# Altium PCB PCB.PcbDoc (part 2 of 2)
Units mm, origin at the board's own origin, x right, y up, seen from the top; angles counter-clockwise.
Board outline 112.5 x 122.5 mm, 4 copper layers (Top Layer, Int1 (GND), Int2 (PWR), Bottom Layer), stack 1.369 mm thick; 231 components, 138 nets, 712 pads, 193 vias.
Unrouted connection lines stored in the file: 145.
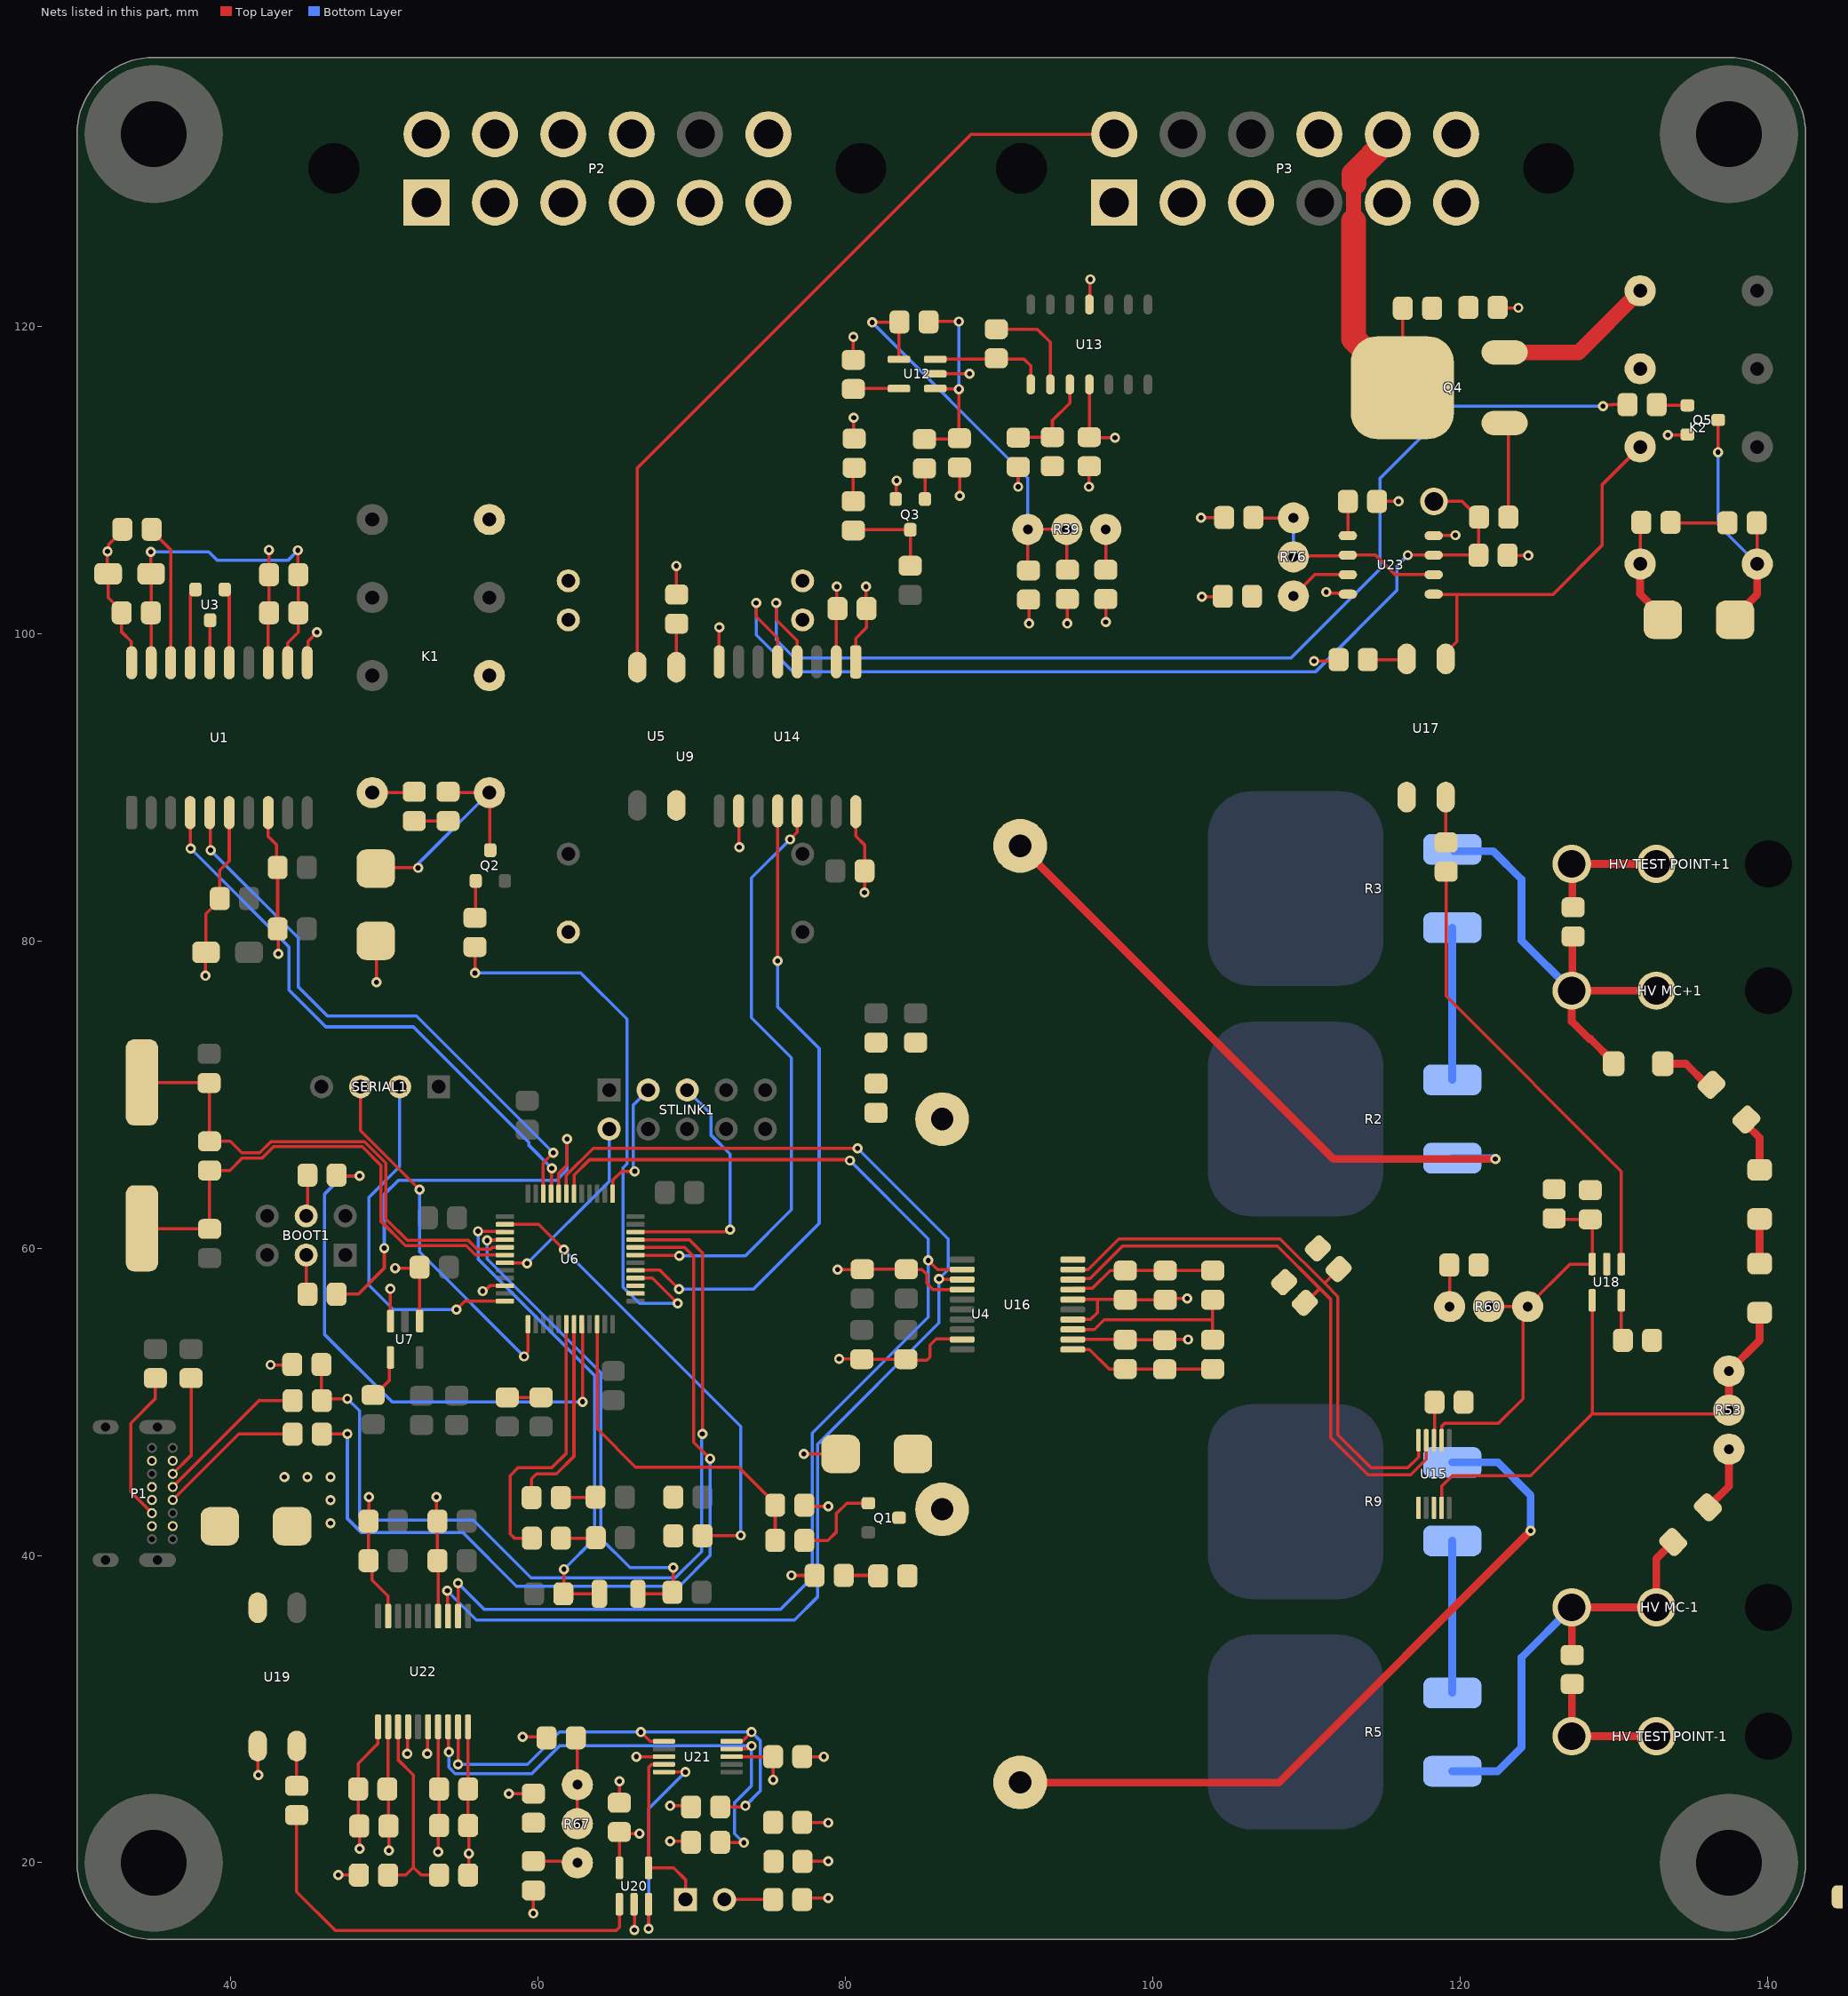
[diagram p4: the nets of this part, all layers, seen from the top]

## Via types
v1: diameter 0.66, hole 0.33, Top Layer to Bottom Layer, 193 vias

## Nets (pads, with @x,y where several pads share a name; then routed paths per layer and width w, separated by ;. In a path a pad name is that pad's centre, name@x,y a point inside that pad or via, vN(x,y) a via of type N, cw(c..) or ccw(c..) an arc to the next point about the centre after c; other vN are vias at no path point) (continued)
5V: 1.1 C28.2 C34.2 C35.2 C62.2 D7.A D14.A D15.K K2.1 P3.1 R6.2 R37.2 R38.2 R44.2 R57.2 R74.2 R79.2 U8.3 U12.5 U13.4 U14.1 U23.4 U23.8 | length 34.2
  Top Layer w0.203: v1(69,104.4) 69,102.564 R6.2@69.026,102.538 ; C34.2@80.524,115.912 80.562,115.95 U12.5@83.488,115.95 ; v1(80.55,114.05) 80.55,112.714 R38.2@80.576,112.688 ; U14.1@80.68,98.156 80.68,99.68 81.388,100.388 C35.2@81.388,101.624 81.35,101.662 v1(81.35,103.05) ; R44.2@87.424,110.812 87.45,110.786 v1(87.45,108.95) ; R37.2@91.924,102.212 91.95,102.186 v1(91.95,100.65) ; U13.4@95.88,116.218 95.88,112.792 C62.2@95.876,112.788 95.914,112.75 v1(97.55,112.75) ; v1(103.2,102.4) 104.536,102.4 R74.2@104.562,102.426 ; v1(110.5,98.2) 112,98.2 R57.2@112.1,98.3 ; v1(111.3,102.7) 111.37,102.63 112.63,102.63 U23.8@112.7,102.56 ; U23.4@118.288,106.37 118.303,106.385 119.685,106.385 v1(119.7,106.4) ; D14.A@122.447,121.225 122.472,121.2 v1(123.8,121.2) ; K2.1@131.722,104.53 131.722,107.153 R79.2@131.8,107.231
  Top Layer w0.508: K2.1@131.722,104.53 131.722,102.579 133.2,101.101 D15.K@133.2,100.9
"5V (HV MC ISO)": U17.1
"5V (ISO)": 2.1 C1.2 C2.2 C7.2 C8.2 C17.2 C31.2 C36.2 C42.2 C43.2 C44.2 C45.2 C56.2 C57.2 C58.2 C59.2 D1.K D5.K D8.A D11.K D12.A K1.1 R4.2 R7.2 R10.2 R16.2 R17.2 R19.2 R62.2 U1.6 U1.8 U4.2 U7.1 U7.3 U9.14 U10.4 U11.4 U14.10 U14.16 U16.4 U16.9 U22.4 U22.9 | length 82.5
  Top Layer w0.203: v1(38.364,77.73) 38.364,79.035 38.389,79.061 38.3,79.15 C1.2@38.4,79.25 38.4,81.75 39.3,82.65 C2.2@39.3,82.75 ; C2.2@39.3,82.75 39.3,84.584 39.911,85.195 U1.6@39.911,88.345 ; U1.8@42.451,88.345 42.451,86.799 43,86.25 43,84.838 C7.2@43.062,84.776 C8.2@43.062,80.776 43.1,80.738 v1(43.1,79.15) ; v1(42.6,52.4) 43.987,52.4 R19.2@44.014,52.426 ; v1(49,43.8) 49,42.252 C56.2@48.974,42.226 C57.2@48.974,39.662 49.197,39.439 49.197,38.403 50.249,37.351 U22.9@50.249,36.046 ; K1.1@49.219,89.645 51.895,89.645 D12.A@51.95,89.7 ; D11.K@49.45,80 49.5,79.95 v1(49.5,77.3) ; U7.3@50.4,55.25 50.4,57.15 v1(50.4,57.35) ; v1(50.7,58.7) 52.25,58.7 C17.2@52.3,58.75 U7.1@52.3,55.25 ; v1(53.4,43.8) 53.4,42.289 C58.2@53.463,42.226 C59.2@53.463,39.662 53.499,39.626 U22.4@53.499,36.046 ; U14.10@73.06,88.454 73.08,88.434 73.08,86.12 v1(73.1,86.1) ; v1(76.5,38.7) R4.2@78,38.7 ; v1(77.3,46.6) D1.K@79.7,46.6 ; R7.2@77.338,43.274 77.412,43.2 v1(78.9,43.2) ; v1(79.5,58.6) 81.08,58.6 C45.2@81.105,58.625 C44.2@83.975,58.625 84,58.6 85,58.6 85.3,58.3 85.3,57.7 85.697,57.303 U16.4@87.606,57.303 ; v1(79.6,52.8) 81.049,52.8 C42.2@81.074,52.775 C43.2@83.944,52.775 84.019,52.7 85.3,52.7 85.514,52.914 85.514,53.684 85.916,54.086 87.573,54.086 U16.9@87.606,54.053 ; U14.16@80.68,88.403 80.68,86.82 81.25,86.25 C36.2@81.25,84.55 v1(81.25,83.15)
  other v1: 46.5,42.1 46.5,43.6 43.5,45.1 45,45.1 46.5,45.1
12V/24V: C27.2 C30.2 L1.1 U8.1 U9.22 U9.23
BOOT0: BOOT1.3 R18.1 | length 2.6
  Top Layer w0.203: BOOT1.3@44.92,59.553 44.92,57.08 R18.1@45,57
BOOT1: BOOT1.4 R15.2 | length 2.7
  Top Layer w0.203: BOOT1.4@44.92,62.093 45,62.173 R15.2@45,64.75
CAN1H: "CAN TERM R1.2" C11.2 P2.5 U2.1 | length 2.1
  Top Layer w0.203: C11.2@369.226,157.738 371.278,157.738 U2.1@371.331,157.685
CAN1L: "CAN TERM R2.1" C10.2 P2.4 U2.2 | length 2.1
  Top Layer w0.203: U2.2@373.831,157.685 375.874,157.685 C10.2@375.926,157.738
CAN2H: P2.3
CAN2L: P2.2
CAN3H: P2.7
CAN3L: P2.6
"CAN RX": "CAN RX TP1.1" U1.4 U6.45 | length 37.9
  Top Layer w0.203: U1.4@37.371,88.345 37.386,88.33 37.386,86.014 v1(37.4,86) ; U6.45@60.85,63.55 60.875,63.575 60.875,65.175 v1(60.9,65.2)
  Bottom Layer w0.203: v1(37.4,86) 43.8,79.6 43.8,76.8 46.2,74.4 51.887,74.4 59.422,66.866 59.422,66.678 v1(60.9,65.2)
"CAN RX INDC": "CAN RX INDC1.A" U6.19 | length 13.2
  Top Layer w0.203: 59.588,43.769 59.588,44.988 59.9,45.3 61.2,45.3 62.343,46.443 62.343,55.043 U6.19@62.35,55.05
"CAN TX": "CAN TX TP1.1" U1.5 U6.46 | length 37.7
  Top Layer w0.203: U1.5@38.641,88.345 38.67,88.315 38.67,85.93 v1(38.7,85.9) ; U6.46@60.35,63.55 60.343,63.557 60.343,65.543 v1(61,66.2)
  Bottom Layer w0.203: v1(38.7,85.9) 44.4,80.2 44.4,77 46.3,75.1 52.1,75.1 v1(61,66.2)
"CAN TX INDC": "CAN TX INDC1.A" U6.18 | length 18
  Top Layer w0.203: 59.6,41.119 59.581,41.1 58.5,41.1 58.2,41.4 58.2,45.2 58.7,45.7 60.9,45.7 61.85,46.65 U6.18@61.85,55.05
CANS: C3.1 C4.1 C5.1 C6.1 C9.1 C10.1 C11.1 C12.1 C13.1 P2.1 R1.1 U1.11 U1.13 U1.16 U1.20 U3.3 | length 27.6
  Top Layer w0.203: R1.1@32.957,106.787 32.957,106.687 32.076,105.806 32.076,105.427 v1(31.989,105.34) 31.989,103.934 C4.1@32.03,103.892 32.03,102.336 32.914,101.452 C6.1@32.914,101.352 32.914,100.096 33.528,99.483 33.528,98.131 U1.20@33.561,98.098 ; U1.16@38.641,98.098 38.655,98.112 38.655,100.856 U3.3@38.669,100.87 ; U1.13@42.451,98.098 42.451,101.298 C5.1@42.505,101.352 C3.1@42.505,103.837 ; C3.1@42.505,103.837 v1(42.504,105.442) ; U1.11@44.991,98.099 45.03,98.138 45.03,99.484 v1(45.628,100.082) ; C13.1@369.195,164.162 369.2,164.167 v1(369.2,165.5) ; v1(369.2,154.4) 369.2,155.812 C11.1@369.226,155.838 ; C12.1@375.895,164.162 375.9,164.167 v1(375.9,165.5) ; v1(375.9,154.5) 375.9,155.812 C10.1@375.926,155.838
CLOCK: "TSAL CLK TP SMD1.1" "TSAL CLK TP THT1.1" R75.1 R77.2 U14.5 U23.3 | length 64.4
  Top Layer w0.203: v1(74.2,102) 74.2,101.1 75.6,99.7 U14.5@75.6,98.156 ; v1(116.6,105.1) U23.3@118.288,105.1 R77.2@121.2,105.1 121.2,107.591 120.707,108.084 120.651,108.084 120.136,108.6 118.3,108.6
  Bottom Layer w0.203: v1(74.2,102) 74.2,99.9 76.6,97.5 110.587,97.5 115.9,102.813 115.9,104.4 v1(116.6,105.1)
"CLOCK (ISO)": U6.29 U14.12 | length 42.2
  Top Layer w0.203: U6.29@66.35,58.55 66.375,58.575 67.925,58.575 v1(69.175,57.325) ; v1(75.6,78.7) U14.12@75.6,88.454
  Bottom Layer w0.203: v1(69.175,57.325) 74.025,57.325 78.3,61.6 78.3,73 75.6,75.7 v1(75.6,78.7)
"Current Sensor": P3.2 R46.1
Discharge: R74.1 R76.3 U23.7 | length 4.1
  Top Layer w0.203: R76.3@109.159,102.446 110.543,103.83 U23.7@112.7,103.83
"Discharge Disable": "DIS SIG TP1.1" P3.12 U5.2 | length 53
  Top Layer w0.203: U5.2@66.467,97.812 66.467,110.767 88.2,132.5 P3.12@97.5,132.5
"Discharge Disable (ISO)": "DIS SIG ISO TP1.1" R7.1 R8.1 U5.4 U6.22 | length 22.8
  Top Layer w0.203: U6.22@63.85,55.05 63.85,48.25 66.357,45.743 73.069,45.743 75.438,43.374 R7.1@75.438,43.274 R8.1@75.438,40.974
GLV+: "GLV+ TP1.1" F1.1 P2.12 P3.7
GLV-: "GLV- TP1.1" C29.1 C30.1 C32.1 C33.1 C34.1 C35.1 C60.1 C61.1 C62.1 K2.4 P2.11 P3.3 Q3.S Q5.S R43.1 R77.1 U9.2 U9.3 U10.2 U11.2 U12.2 U13.11 U14.2 U14.8 U17.3 U23.1 | length 51.8
  Top Layer w0.203: U14.8@71.79,98.156 71.795,98.161 71.795,100.395 v1(71.8,100.4) ; U14.2@79.41,98.156 79.41,101.546 C35.1@79.488,101.624 79.45,101.662 v1(79.45,103.05) ; C34.1@80.524,117.812 v1(80.524,119.312) ; Q3.S@83.282,108.751 83.316,108.785 83.316,109.916 v1(83.35,109.95) ; U12.2@85.85,116.9 85.853,116.903 88.081,116.903 v1(88.084,116.905) ; v1(91.25,109.55) C33.1@91.25,110.85 ; v1(94.45,100.65) C32.1@94.45,102.25 ; v1(95.85,109.55) 95.85,110.862 C62.1@95.876,110.888 ; U13.11@95.88,121.418 95.915,121.453 95.915,123.015 v1(95.95,123.05) ; v1(96.95,100.75) R43.1@96.95,102.25 ; v1(103.15,107.55) C61.1@104.65,107.55 ; C60.1@114.6,108.6 v1(116,108.6) ; U23.1@118.288,102.56 118.318,102.53 119.77,102.53 ; U17.3@119.07,98.35 119.07,98.75 119.8,99.48 119.8,102.5 119.77,102.53 ; R77.1@123.1,105.1 123.126,105.074 v1(124.438,105.074) ; K2.4@131.722,112.15 129.236,109.664 129.236,105.736 126.03,102.53 119.77,102.53 ; v1(133.525,112.925) 134.775,112.925 Q5.S@134.8,112.95 ; v1(300.4,518) 300.407,518.007 300.407,520.488 U11.2@300.415,520.496
GNDISO: C48.1 C49.1 C50.1 C51.2 C52.1 C53.1 C54.1 C55.2 R65.1 R68.1 R72.1 U20.2 U21.3 U22.11 U22.14 U22.16 U22.20 | length 34.6
  Top Layer w0.203: v1(48.4,20.9) 48.4,22.356 C54.1@48.372,22.384 48.3,22.456 C55.2@48.3,24.8 48.3,26.468 49.573,27.741 49.573,28.82 U22.11@49.599,28.846 ; v1(51.5,27.1) 51.524,27.124 51.524,28.821 U22.14@51.549,28.846 ; v1(52.8,27.1) 52.825,27.124 52.825,28.821 U22.16@52.849,28.846 ; U22.20@55.449,28.846 55.449,24.813 C52.1@55.462,24.8 C53.1@55.462,22.415 55.5,22.377 v1(55.5,20.6) 55.5,19.238 R72.1@55.462,19.2 ; v1(58.1,24.5) C50.1@59.7,24.5 ; v1(59.7,16.7) R68.1@59.7,18.2 ; C49.1@65.3,23.9 v1(65.3,25.3) ; U20.2@66.25,17.3 66.275,17.275 v1(66.275,15.625) ; v1(66.4,26.9) U21.3@68.2,26.9 ; R65.1@77.2,17.6 77.3,17.7 v1(78.9,17.7) ; C48.1@77.2,22.626 77.226,22.6 v1(78.9,22.6) ; C51.2@77.2,26.9 v1(78.6,26.9)
"Green In": "HVD Bypass1.2" P2.10 P3.5 R27.2
"Green Out": "PDOC Bypass1.1" K1.13 P2.9
"HV MC+": "HV MC+1.1" "HV MC+1.2" R3.1 R35.2 R47.2 | length 28.9
  Top Layer w0.508: R35.2@127.357,80.279 127.317,80.239 127.317,76.797 127.276,76.756 ; R47.2@130,72 130,72.1 128.485,73.615 128.405,73.615 127.276,74.744 127.276,76.756 ; 132.776,76.756 127.276,76.756
  Bottom Layer w0.508: R3.1@119.5,85.95 119.612,85.838 122.162,85.838 124,84 124,80.032 127.276,76.756
"HV MC-": "HV MC-1.1" "HV MC-1.2" C37.2 C38.1 C39.1 C40.1 C41.2 C46.1 C47.1 R5.2 R36.2 R54.1 R56.1 R61.1 U15.3 U16.11 U16.14 U16.16 U16.20 U18.2 | length 48.7
  Top Layer w0.203: U16.11@94.806,53.403 95.897,53.403 97.162,52.138 C40.1@98.222,52.138 98.247,52.114 C41.2@100.795,52.114 103.877,52.114 R56.1@103.901,52.138 ; U16.14@94.806,55.353 95.953,55.353 96.4,55.8 96.4,56.546 96.507,56.653 ; U16.16@94.806,56.653 96.507,56.653 ; v1(102.25,56.725) 100.913,56.725 C38.1@100.826,56.638 C39.1@98.222,56.638 98.207,56.653 96.507,56.653
  Top Layer w0.508: R36.2@127.3,33.525 127.288,33.537 127.288,36.613 127.276,36.625 132.776,36.625 132.776,39.776 R54.1@133.869,40.869
  Bottom Layer w0.508: R5.2@119.5,25.951 122.451,25.951 124,27.5 124,33.349 127.276,36.625
"HVD In": "HVD Bypass1.1" "PDOC Bypass1.2" K1.9 P3.6 R30.2
"HVD OK (ISO)": R31.2 U6.26
Net5_1: 5.1 R41.2 R44.1 R45.1 U12.1 | length 13.4
  Top Layer w0.203: R45.1@85.15,112.65 87.362,112.65 R44.1@87.424,112.712 87.384,112.752 v1(87.384,115.905) 87.362,115.928 85.873,115.928 U12.1@85.85,115.95 ; R41.2@85.422,120.279 85.448,120.305 v1(87.384,120.305)
  Bottom Layer w0.203: v1(87.384,115.905) v1(87.384,120.305)
NetC3_2: C3.2 C4.2 C5.2 C6.2 U1.12 U1.19 | length 24.9
  Top Layer w0.203: v1(34.808,105.315) 34.808,103.914 C4.2@34.83,103.892 34.83,101.368 C6.2@34.814,101.352 34.831,101.335 U1.19@34.831,98.098 ; U1.12@43.721,98.098 43.721,99.394 44.405,100.078 C5.2@44.405,101.352 C3.2@44.405,103.837 44.384,103.858 v1(44.384,105.416)
  Bottom Layer w0.203: v1(34.808,105.315) 38.581,105.315 39.139,104.756 43.723,104.756 v1(44.384,105.416)
NetC9_2: "CAN TERM R1.1" "CAN TERM R2.2" C9.2 | length 4.6
  Top Layer w0.203: C9.2@371.384,168.369 371.384,170.809 371.359,170.833 373.529,170.833
NetC12_2: "CANL TP1.1" C12.2 U1.15 U2.3 U3.1 | length 7
  Top Layer w0.203: U3.1@39.619,102.87 39.911,102.577 U1.15@39.911,98.098 ; U2.3@373.831,162.235 375.868,162.235 C12.2@375.895,162.262
NetC13_2: "CANH TP1.1" C13.2 U1.17 U2.4 U3.2 | length 7.1
  Top Layer w0.203: U1.17@37.371,98.098 37.371,102.522 U3.2@37.719,102.87 ; C13.2@369.195,162.262 369.221,162.235 U2.4@371.331,162.235
NetC24_2: C24.2 U7.4 | length 3
  Top Layer w0.203: C24.2@49.276,50.438 49.376,50.438 50.343,51.405 50.343,52.831 U7.4@50.4,52.888
NetC29_2: C29.2 D6.K L1.2
NetC32_2: "SENSOR TP1.1" C32.2 R37.1 R39.1 R39.2 R41.1 U12.4 | length 29.7
  Top Layer w0.203: v1(81.75,120.25) R41.1@83.493,120.25 ; U12.4@83.488,117.85 83.488,120.245 R41.1@83.493,120.25 ; R41.1@83.522,120.279 R41.1@83.493,120.25 ; R37.1@91.924,104.112 91.875,104.161 R39.1@91.875,106.785 R39.2@94.415,106.785 94.415,104.185 C32.2@94.45,104.15
  Bottom Layer w0.203: v1(81.75,120.25) 91.875,110.125 R39.1@91.875,106.785
NetC33_2: C33.2 PREAMP1.1 R46.2 U13.3 | length 6.1
  Top Layer w0.203: C33.2@91.25,112.75 91.288,112.788 R46.2@93.476,112.788 93.476,113.876 94.61,115.01 U13.3@94.61,116.218
NetC47_2: "TSAL REF TP1.1" C47.2 R59.1 R60.1 R60.2 U15.7 U18.3 | length 26.3
  Top Layer w0.203: U15.7@118.8,47.5 118.8,48.4 119,48.6 122.5,48.6 124.1,50.2 124.1,55.9 R60.1@124.4,56.2 ; R60.2@121.86,56.2 R60.1@124.4,56.2 ; R59.1@126.126,61.938 126.188,61.876 C47.2@128.478,61.876 128.6,61.754 U18.3@128.6,58.962 127.162,58.962 R60.1@124.4,56.2
NetC48_2: "PDOC NTC1.1" "PDOC TEMP AMP OUT TP1.1" C48.2 R63.1 U20.4 U21.4 | length 11.6
  Top Layer w0.203: U21.4@68.2,26.4 67.4,26.4 67.2,26.2 U20.4@67.2,19.662 68.838,19.662 69.6,18.9 69.6,17.6
NetC50_2: "PDOC TEMP REF TP1.1" C50.2 R66.1 R67.1 R67.2 U20.3 U21.5 | length 19.8
  Top Layer w0.203: R66.1@62.462,28.126 62.563,28.025 R67.1@62.563,25.072 R67.2@62.563,22.532 ; v1(67.2,15.7) U20.3@67.2,17.3 ; U21.5@68.2,25.9 v1(69.6,25.9)
  Bottom Layer w0.203: v1(67.2,15.7) 67.2,23.5 v1(69.6,25.9)
NetC60_2: C60.2 U23.5 | length 2.2
  Top Layer w0.203: U23.5@112.7,106.37 C60.2@112.7,108.6
"NetCAN RX INDC1_K": "CAN RX INDC1.K" R14.2 | length 2.3
  Top Layer w0.203: 61.488,43.769 63.719,43.769 R14.2@63.75,43.8
"NetCAN TX INDC1_K": "CAN TX INDC1.K" R13.2 | length 2.3
  Top Layer w0.203: 61.5,41.119 63.731,41.119 R13.2@63.762,41.15
NetD1_A: D1.A D2.K Q1.D U4.3
NetD2_A: D2.A R4.1 | length 2.3
  Top Layer w0.203: R4.1@79.9,38.7 82.107,38.7 D2.A@82.138,38.669
NetD3_K: D3.K R11.2 | length 2.2
  Top Layer w0.203: R11.2@58,50.288 D3.K@60.205,50.288
NetD4_K: D4.K R12.2
NetD5_A: D5.A P1.A4 P1.A9 P1.B4 P1.B9
NetD6_A: D6.A F1.2
NetD7_K: D7.K R25.2
NetD8_K: D8.K R26.2
NetD9_A: D9.A R27.1
NetD9_K: D9.K U10.1
NetD10_A: D10.A R30.1
NetD10_K: D10.K U11.1
NetD11_A: D11.A K1.16 Q2.D R33.1 | length 16.1
  Top Layer w0.203: D11.A@49.45,84.7 49.5,84.75 v1(52.2,84.75) ; R33.1@54.15,89.7 54.205,89.645 K1.16@56.839,89.645 56.87,89.614 56.87,85.93 Q2.D@56.9,85.9
  Bottom Layer w0.203: v1(52.2,84.75) 52.2,85.006 K1.16@56.839,89.645
NetD12_K: D12.K R33.2 | length 2.2
  Top Layer w0.203: D12.K@51.95,87.8 R33.2@54.15,87.8
NetD13_A: D13.A R38.1 | length 2.2
  Top Layer w0.203: D13.A@80.524,108.612 80.524,110.736 R38.1@80.576,110.788
NetD13_K: D13.K Q3.D R42.1 | length 6.1
  Top Layer w0.203: D13.K@80.524,106.712 80.563,106.751 Q3.D@84.232,106.751 84.232,104.42 R42.1@84.224,104.412
NetD14_K: D14.K R73.2
NetD15_A: D15.A D16.K K2.16 Q5.D | length 17.3
  Top Layer w0.203: v1(136.8,111.8) Q5.D@136.8,113.9 ; D16.K@139.3,107.2 139.342,107.158 K2.16@139.342,104.53
  Top Layer w0.508: D15.A@137.9,100.9 137.9,101.101 139.342,102.543 K2.16@139.342,104.53
  Bottom Layer w0.203: v1(136.8,111.8) 136.8,107.072 K2.16@139.342,104.53
NetD16_A: D16.A R79.1 | length 3.7
  Top Layer w0.203: R79.1@133.7,107.231 133.731,107.2 D16.A@137.4,107.2
"NetHV TEST POINT+1_1": "HV TEST POINT+1.1" "HV TEST POINT+1.2" R35.1 | length 8.4
  Top Layer w0.508: R35.1@127.357,82.179 127.317,82.22 127.317,84.965 127.276,85.006 132.776,85.006
"NetHV TEST POINT-1_1": "HV TEST POINT-1.1" "HV TEST POINT-1.2" R36.1 | length 8.9
  Top Layer w0.508: R36.1@127.3,31.625 127.288,31.613 127.288,28.243 127.276,28.231 132.776,28.231
NetK2_8: K2.8 Q4.S | length 10.5
  Top Layer w1: Q4.S@122.9,118.3 127.712,118.3 K2.8@131.722,122.31
NetP1_A5: P1.A5 R22.1 | length 6.7
  Top Layer w0.203: P1.A5@36.231,45.306 37.426,46.501 R22.1@37.426,51.538
NetP1_A6: P1.A6 P1.B6 R20.1 | length 10.2
  Top Layer w0.203: P1.A6@36.231,44.456 41.875,50.1 41.901,50.074 R20.1@44.038,50.074
NetP1_A7: P1.A7 P1.B7 R21.1 | length 9.6
  Top Layer w0.203: P1.A7@36.231,43.606 40.525,47.9 R21.1@44.038,47.9
NetP1_B5: P1.B5 R23.1 | length 10
  Top Layer w0.203: P1.B5@34.881,42.756 33.5,44.137 33.5,48.6 35.11,50.21 R23.1@35.11,51.538
"NetPDOC NTC1_2": "PDOC NTC1.2" R65.2 | length 3.2
  Top Layer w0.203: 72.14,17.6 R65.2@75.3,17.6
"NetPOST AMP TP1_1": "POST AMP TP1.1" R40.2 U12.3 U13.1 | length 7.7
  Top Layer w0.203: U12.3@85.85,117.85 89.762,117.85 R40.2@89.824,117.912 89.886,117.85 91.65,117.85 92.07,117.43 U13.1@92.07,116.218
NetQ1_G: Q1.G R8.2 | length 5.9
  Top Layer w0.203: R8.2@77.338,40.974 78.874,40.974 79.4,41.5 79.4,42.7 80.1,43.4 Q1.G@81.5,43.4
NetQ2_G: Q2.G R34.2 | length 2.4
  Top Layer w0.203: R34.2@55.9,81.5 55.95,81.55 Q2.G@55.95,83.9
NetQ3_G: Q3.G R45.2 | length 2
  Top Layer w0.203: R45.2@85.15,110.75 85.182,110.718 Q3.G@85.182,108.751
NetQ4_G: Q4.G R75.2 | length 6.2
  Top Layer w0.203: Q4.G@122.9,113.7 123.138,113.462 R75.2@123.138,107.574
NetQ5_G: Q5.G R78.2 | length 2
  Top Layer w0.203: R78.2@132.8,114.9 132.85,114.85 Q5.G@134.8,114.85
NetR1_2: R1.2 U1.18 | length 9.2
  Top Layer w0.203: R1.2@34.857,106.787 34.857,106.687 36.101,105.443 U1.18@36.101,98.098
NetR2_1: R2.1 R3.2 | length 9.9
  Bottom Layer w0.508: R2.1@119.5,70.95 R3.2@119.5,80.85
NetR2_2: R2.2 U4.1 | length 42.2
  Top Layer w0.508: U4.1@91.38,86.18 111.76,65.8 v1(122.3,65.8)
  Bottom Layer w0.508: R2.2@119.5,65.85 122.25,65.85 v1(122.3,65.8)
NetR5_1: R5.1 R9.2 | length 9.9
  Bottom Layer w0.508: R5.1@119.5,31.051 R9.2@119.5,40.951
NetR6_1: R6.1 U5.1 | length 2.8
  Top Layer w0.203: U5.1@69.007,97.812 69.007,100.619 R6.1@69.026,100.638
NetR9_1: R9.1 U4.4 | length 48.3
  Top Layer w0.508: U4.4@91.38,25.22 108.22,25.22 v1(124.6,41.6)
  Bottom Layer w0.508: R9.1@119.5,46.051 122.466,46.051 124.6,43.917 v1(124.6,41.6)
NetR15_1: R15.1 U6.20 | length 37.1
  Top Layer w0.203: R15.1@46.9,64.75 46.95,64.7 v1(48.4,64.7) ; U6.20@62.85,55.05 62.9,55 v1(62.9,50)
  Bottom Layer w0.203: v1(48.4,64.7) 47.3,64.7 46.1,63.5 46.1,54.4 50.5,50 v1(62.9,50)
NetR18_2: R18.2 U6.44 | length 26.9
  Top Layer w0.203: R18.2@46.9,57 48.3,57 50,58.7 v1(50,60) ; U6.44@61.35,63.55 61.35,64.863 61.9,65.413 v1(61.9,67.1)
  Bottom Layer w0.203: v1(50,60) 50,63.5 50.9,64.4 61.2,64.4 61.9,65.1 v1(61.9,67.1)
NetR28_1: R28.1 R29.2 U10.3
NetR31_1: R31.1 R32.2 U11.3 | length 6.4
  Top Layer w0.203: R31.1@297.726,533.188 297.751,533.164 R32.2@300.4,533.164 300.415,533.149 U11.3@300.415,529.496
NetR39_3: R39.3 R43.2 | length 2.6
  Top Layer w0.203: R43.2@96.95,104.15 96.955,104.155 R39.3@96.955,106.785
NetR40_1: R40.1 U13.2 | length 6.6
  Top Layer w0.203: R40.1@89.824,119.812 92.488,119.812 93.34,118.96 U13.2@93.34,116.218
NetR47_1: R47.1 R48.2 | length 3.7
  Top Layer w0.508: R47.1@133.2,72 134.696,72 136.065,70.631 R48.2@136.369,70.631
NetR48_1: R48.1 R49.2 | length 3.6
  Top Layer w0.508: R48.1@138.631,68.369 138.631,68.038 139.5,67.17 R49.2@139.5,65.1
NetR49_1: R49.1 R50.2 | length 2.9
  Top Layer w0.508: R50.2@139.5,59 R49.1@139.5,61.9
NetR50_1: R50.1 R53.2 R53.3 U15.4 U18.4 | length 36.8
  Top Layer w0.203: U15.4@118.848,43.052 U15.4@118.8,43.1 118.8,44.5 119.5,45.2 124.6,45.2 128.6,49.2 ; U18.4@128.6,56.6 128.6,49.2 ; R53.2@137.5,49.46 137.24,49.2 128.6,49.2
  Top Layer w0.508: R53.2@137.5,49.46 R53.3@137.5,52 139.5,54 R50.1@139.5,55.8
NetR51_1: R51.1 U15.10 U16.19 | length 37.5
  Top Layer w0.203: U16.19@94.806,58.603 95.803,58.603 97.8,60.6 108.3,60.6 111.2,57.7 ; R51.1@112.099,58.638 111.2,57.74 111.2,57.7 ; U15.10@117.3,47.5 117.3,46.4 116.6,45.7 114.2,45.7 112.057,47.843 112.057,56.843 111.2,57.7
NetR52_1: R52.1 U15.9 U16.18 | length 38.9
  Top Layer w0.203: U16.18@94.806,57.953 94.864,58.011 95.911,58.011 98.043,60.143 108.111,60.143 110.877,57.377 ; R52.1@110.295,56.835 R52.1@109.899,56.438 109.938,56.438 110.877,57.377 ; U15.9@117.8,47.5 117.8,46.253 116.789,45.243 114.011,45.243 111.6,47.653 111.6,56.653 110.877,57.377
NetR53_1: R53.1 R54.2 | length 4.4
  Top Layer w0.508: R54.2@136.131,43.131 137.5,44.5 R53.1@137.5,46.92
NetR57_1: R57.1 U17.4 | length 2.6
  Top Layer w0.203: R57.1@114,98.3 116.48,98.3 U17.4@116.53,98.35
NetR58_1: R58.1 U18.1 | length 30.3
  Top Layer w0.203: R58.1@119.1,84.5 119.1,76.4 130.5,65 U18.1@130.5,58.962
NetR58_2: R58.2 U17.2 | length 3
  Top Layer w0.203: U17.2@119.07,89.35 119.07,86.43 R58.2@119.1,86.4
NetR60_3: R60.3 R61.2 | length 2.7
  Top Layer w0.203: R61.2@119.3,58.9 119.32,58.88 R60.3@119.32,56.2
NetR64_1: R64.1 U20.1 | length 28.6
  Top Layer w0.203: R64.1@44.3,23.1 44.3,18.1 46.8,15.6 65.1,15.6 65.3,15.8 U20.1@65.3,17.3
NetR64_2: R64.2 U19.2 | length 2.6
  Top Layer w0.203: R64.2@44.3,25 44.3,27.59 U19.2@44.306,27.596
NetR67_3: R67.3 R68.2 | length 2.9
  Top Layer w0.203: R68.2@59.7,20.1 62.455,20.1 R67.3@62.563,19.992
NetR69_1: R69.1 U21.1 U21.10 U22.19 | length 32.8
  Top Layer w0.203: v1(54.8,26.4) U22.19@54.799,28.845 ; v1(66.7,28.5) 67.3,27.9 U21.1@68.2,27.9 ; R69.1@71.862,23.626 73.426,23.626 v1(73.5,23.7) ; U21.10@72.6,27.9 73.3,27.9 v1(73.9,28.5)
  Bottom Layer w0.203: v1(54.8,26.4) 59.313,26.4 61.413,28.5 v1(66.7,28.5) v1(73.9,28.5) 74.457,27.943 74.457,24.657 v1(73.5,23.7)
NetR70_1: R70.1 U21.9 U22.18 | length 33.2
  Top Layer w0.203: U22.18@54.149,28.846 54.175,28.82 54.175,27.225 v1(54.2,27.2) ; R70.1@71.862,21.326 71.888,21.3 v1(73.4,21.3) ; U21.9@72.6,27.4 73.576,27.4 73.776,27.6 v1(73.9,27.6)
  Bottom Layer w0.203: v1(54.2,27.2) 54.2,26.213 54.613,25.8 59.6,25.8 61.4,27.6 v1(73.9,27.6) 73.9,25 72.8,23.9 72.8,21.9 v1(73.4,21.3)
NetR71_1: R71.1 R72.2 U22.13 | length 13.3
  Top Layer w0.203: R71.1@50.248,19.2 51.4,19.2 51.9,19.7 ; U22.13@50.899,28.846 50.899,26.701 51.9,25.7 51.9,19.7 ; R72.2@53.562,19.2 52.4,19.2 51.9,19.7
NRST: STLINK1.2 U6.7 | length 12.4
  Top Layer w0.203: U6.7@57.85,59.05 57.875,59.025 59.275,59.025 v1(59.3,59)
  Bottom Layer w0.203: v1(59.3,59) 64.63,64.33 STLINK1.2@64.63,67.75
PC13: R12.1 U6.2 | length 30.4
  Top Layer w0.203: U6.2@57.85,61.55 60.05,61.55 v1(61.7,59.9) ; R12.1@70.712,41.276 73.176,41.276 v1(73.2,41.3)
  Bottom Layer w0.203: v1(61.7,59.9) 73.2,48.4 v1(73.2,41.3)
"PCB TEMP": "PCB NTC1.2" C14.2 R10.1 U6.10 | length 1.6
  Top Layer w0.203: v1(56.4,57.2) 56.524,57.2 56.874,57.55 U6.10@57.85,57.55
"PDOC OK (ISO)": R34.1 R62.1 U6.28 U19.4 | length 37.9
  Top Layer w0.203: U19.4@41.766,36.596 U19.4@41.8,36.63 ; v1(55.9,77.9) R34.1@55.9,79.6 ; U6.28@66.35,58.05 67.45,58.05 v1(69.1,56.4)
  Bottom Layer w0.203: v1(55.9,77.9) 62.8,77.9 65.8,74.9 65.8,65.487 65.543,65.231 65.543,57.457 66.6,56.4 v1(69.1,56.4)
SCL: R16.1 U6.42 U16.2 U22.2 | length 81.2
  Top Layer w0.203: U22.2@54.799,36.046 v1(54.8,38.2) ; U6.42@62.35,63.55 62.35,64.75 63.357,65.757 80.243,65.757 v1(80.3,65.7) ; v1(85.4,59.2) 85.997,58.603 U16.2@87.606,58.603
  Bottom Layer w0.203: v1(54.8,38.2) 56.5,36.5 75.8,36.5 77.857,38.557 77.857,47.957 85.4,55.5 v1(85.4,59.2) 85.4,60.6 v1(80.3,65.7)
SDA: R17.1 U6.43 U16.3 U22.3 | length 84.7
  Top Layer w0.203: v1(54.1,37.7) 54.125,37.675 54.125,36.07 U22.3@54.149,36.046 ; U6.43@61.85,63.55 61.85,64.75 63.6,66.5 v1(80.8,66.5) ; v1(86.1,58) 86.123,57.977 87.583,57.977 U16.3@87.606,57.953
  Bottom Layer w0.203: v1(54.1,37.7) 56,35.8 76.7,35.8 78.185,37.285 78.185,47.223 86.1,55.138 v1(86.1,58) 86.7,58.6 86.7,60.6 v1(80.8,66.5)
"SDN OK (ISO)": R28.2 U6.27
SWCLK: STLINK1.3 U6.37 | length 8.3
  Top Layer w0.203: U6.37@64.85,63.55 64.875,63.575 64.875,64.425 65.45,65 v1(66.3,65)
  Bottom Layer w0.203: v1(66.3,65) 66.193,65.107 66.193,69.313 STLINK1.3@67.17,70.29
SWDIO: STLINK1.5 U6.34 | length 16.5
  Top Layer w0.203: U6.34@66.35,61.05 72.35,61.05 v1(72.5,61.2)
  Bottom Layer w0.203: STLINK1.5@69.71,70.29 71.273,68.727 71.273,67.345 72.5,66.119 v1(72.5,61.2)
Trigger: C61.2 R76.1 R76.2 U23.2 U23.6 | length 14.9
  Top Layer w0.203: C61.2@106.55,107.55 106.574,107.526 R76.1@109.159,107.526 ; R76.2@109.159,104.986 109.216,105.043 112.643,105.043 U23.6@112.7,105.1 114.5,105.1 115.77,103.83 U23.2@118.288,103.83
  Bottom Layer w0.203: R76.2@109.159,104.986 R76.1@109.159,107.526
"TSAL Green": K2.6 P3.9
"TSAL Red": P3.8 Q4.D R73.1 | length 23.9
  Top Layer w0.203: Q4.D@116.25,116 116.281,116.031 R73.1@116.281,121.173
  Top Layer w1: 113.075,126.846 113.075,129.275 113.1,129.3
  Top Layer w1.6: 113.075,126.846 113.075,119.175 Q4.D@116.25,116 ; 113.1,129.3 113.1,129.921 115.3,132.121 P3.8@115.3,132.5
"TSAL STATE": "TSAL RELAY TP1.1" R78.1 U14.4 | length 73
  Top Layer w0.203: v1(75.5,102) 75.5,100.9 76.87,99.53 U14.4@76.87,98.156 ; v1(129.3,114.8) 129.387,114.887 129.933,114.887 129.945,114.9 R78.1@130.9,114.9
  Bottom Layer w0.203: v1(75.5,102) 75.5,99.6 76.7,98.4 109,98.4 114.8,104.2 114.8,110.1 119.5,114.8 v1(129.3,114.8)
"TSAL STATE (ISO)": U6.31 U14.13 | length 39.7
  Top Layer w0.203: U6.31@66.35,59.55 66.375,59.525 69.175,59.525 v1(69.2,59.5) ; v1(76.4,86.6) 76.87,87.07 U14.13@76.87,88.454
  Bottom Layer w0.203: v1(69.2,59.5) 73.5,59.5 76.5,62.5 76.5,72.4 73.9,75 73.9,84.1 v1(76.4,86.6)
UARTRX: SERIAL1.3 U6.13 | length 24.2
  Top Layer w0.203: SERIAL1.3@48.46,70.5 48.46,67.64 v1(52.3,63.8) ; v1(59.1,52.95) 59.1,53 59.35,53.25 U6.13@59.35,55.05
  Bottom Layer w0.203: v1(52.3,63.8) 52.3,59.75 v1(59.1,52.95)
UARTTX: SERIAL1.2 U6.12 | length 23.5
  Top Layer w0.203: v1(54.7,56) 55.25,56.55 U6.12@57.85,56.55
  Bottom Layer w0.203: SERIAL1.2@51,70.5 51,65.3 49,63.3 49,57.6 50.6,56 v1(54.7,56)
USBDM: R21.2 U6.32 | length 57.4
  Top Layer w0.203: R21.2@45.938,47.9 v1(47.6,47.9) ; U6.32@66.35,60.05 66.357,60.057 69.543,60.057 70.143,59.457 70.143,47.357 v1(71.2,46.3)
  Bottom Layer w0.203: v1(47.6,47.9) 47.6,42.4 48.5,41.5 55.1,41.5 58.6,38 69.2,38 71.2,40 v1(71.2,46.3)
USBDP: R19.1 R20.2 U6.33 | length 60.8
  Top Layer w0.203: R19.1@45.914,52.426 45.914,50.098 46.015,50.2 v1(47.6,50.2) ; U6.33@66.35,60.55 69.85,60.55 70.7,59.7 v1(70.7,47.9)
  Bottom Layer w0.203: v1(47.6,50.2) 48.4,49.4 48.4,42.5 48.6,42.3 55.8,42.3 59.557,38.543 68.931,38.543 70.643,40.256 70.643,47.843 v1(70.7,47.9)
VDDISO: C37.1 C38.2 C39.2 C40.2 C41.1 C46.2 C49.2 C51.1 C52.2 C53.2 C54.2 C55.1 R51.2 R52.2 R55.2 R59.2 R63.2 R66.2 R69.2 R70.2 R71.2 U15.1 U15.8 U16.12 U16.17 U18.5 U19.1 U20.5 U21.8 U22.12 U22.17 | length 55.8
  Top Layer w0.203: U19.1@41.766,27.596 41.783,27.579 41.783,25.717 v1(41.8,25.7) ; v1(47,19.2) R71.2@48.348,19.2 ; U22.12@50.249,28.846 50.249,24.849 C55.1@50.2,24.8 50.272,24.728 C54.2@50.272,22.384 50.3,22.356 v1(50.3,20.8) ; U22.17@53.499,28.846 53.499,24.863 C52.2@53.562,24.8 C53.2@53.562,22.415 53.5,22.353 v1(53.5,20.7) ; v1(59,28.2) 60.488,28.2 R66.2@60.562,28.126 ; U20.5@65.3,19.662 C49.2@65.3,22 65.4,21.9 v1(66.6,21.9) ; v1(68.6,21.4) 69.888,21.4 R70.2@69.962,21.326 ; v1(68.6,23.7) 69.888,23.7 R69.2@69.962,23.626 ; U21.8@72.6,26.9 C51.1@75.3,26.9 v1(75.3,25.4) ; R63.2@77.224,20.074 77.251,20.1 v1(78.9,20.1) ; U16.12@94.806,54.053 98.207,54.053 C40.2@98.222,54.038 100.77,54.038 C41.1@100.795,54.014 100.831,54.05 v1(102.3,54.05) ; U16.17@94.806,57.303 94.904,57.401 96.101,57.401 97.238,58.538 C39.2@98.222,58.538 C38.2@100.826,58.538 R55.2@103.901,58.538 ; U15.8@118.3,47.5 118.338,47.538 C37.1@118.338,49.974 ; U18.5@130.5,56.6 130.5,54.1 C46.2@130.6,54
VSEL: R55.1 R56.2 U16.13 | length 12
  Top Layer w0.203: U16.13@94.806,54.703 96.203,54.703 96.838,55.338 103.901,55.338 ; R56.2@103.901,54.038 103.901,55.338 ; R55.1@103.901,56.638 103.901,55.338
XTALA: C25.2 R24.2 U6.5 X1.2 | length 33.1
  Top Layer w0.203: X1.2@34.231,70.785 38.565,70.785 C25.2@38.6,70.75 38.631,70.719 R24.2@38.631,66.95 39.986,66.95 40.736,66.2 41.9,66.2 42.628,66.928 48.708,66.928 50.1,65.536 50.1,61.9 51.5,60.5 55.464,60.5 56.021,59.943 56.931,59.943 57.037,60.05 U6.5@57.85,60.05
XTALB: C26.2 R24.1 U6.6 X1.1 | length 33.1
  Top Layer w0.203: X1.1@34.231,61.285 34.266,61.25 C26.2@38.631,61.25 R24.1@38.631,65.05 39.95,65.05 40.772,65.872 42.036,65.872 42.064,65.9 42.1,65.9 42.8,66.6 48.572,66.6 49.772,65.4 49.772,61.764 51.364,60.172 55.328,60.172 55.95,59.55 U6.6@57.85,59.55
XTALC: C15.2 U6.3 X2.1 | length 31.7
  Top Layer w0.203: v1(56.1,61.1) 56.125,61.075 57.825,61.075 U6.3@57.85,61.05 ; v1(61.7,39.1) 61.7,37.55 C15.2@61.65,37.5 X2.1@64,37.5
  Bottom Layer w0.203: v1(56.1,61.1) 56.1,59.3 63.7,51.7 63.7,41.1 v1(61.7,39.1)
XTALD: C16.2 U6.4 X2.2 | length 33
  Top Layer w0.203: v1(56.7,60.5) 56.725,60.525 57.825,60.525 U6.4@57.85,60.55 ; X2.2@66.5,37.5 68.65,37.5 68.8,37.65 v1(68.8,39.2)
  Bottom Layer w0.203: v1(56.7,60.5) 56.7,59.3 64.1,51.9 64.1,41.1 66,39.2 v1(68.8,39.2)
pads on no net: "HV MC+1." "HV MC-1." "HV TEST POINT+1." "HV TEST POINT-1." K1.4 K1.6 K1.8 K1.11 K2.9 K2.11 K2.13 P1.A8 P1.B8 P1.P2 P1.P3 P1.P4 P2.0 P3.0 P3.4 P3.10 P3.11 R2. R3. R5. R9. STLINK1.4 STLINK1.6 STLINK1.9 STLINK1.10 U1.2 U1.14 U6.11 U6.14 U6.15 U6.16 U6.17 U6.21 U6.25 U6.38 U6.39 U6.40 U6.41 U9.9 U9.11 U13.5 U13.6 U13.7 U13.8 U13.9 U13.10 U13.12 U13.13 U13.14 U14.6 U14.7 U14.11 U15.2 U15.5 U15.6 U16.6 U16.15 U21.2 U21.6 U21.7 U22.6 U22.15

## Polygon pours and split planes (outlines as drawn)
no net on Bottom Layer "Bottom Layer-No Net 2" (solid, pour order 20): 114,114
no net on Bottom Layer "Bottom Layer-No Net" (solid, pour order 2): 309.5,453.7
no net on Bottom Layer "Bottom Layer-No Net 1" (solid, pour order 0): 309.5,453.7
NetD1_A on Top Layer "Top Layer-NetD1_A" (solid, pour order 18): 83,49 83,37.5 88.5,37.5 88.5,49
NetD5_A on Top Layer "Top Layer-NetD5_A" (solid, remove dead copper, pour order 12): 41.5,49.6 41.5,38.6 33.5,38.6 33.5,49.6
"5V (ISO)" on Top Layer "Top Layer-5kW (ISO)" (solid, pour order 14): 47,45.75 47,39.6 42,39.6 42,45.75
"3.3V (ISO)" on Top Layer "Top Layer-3.3V (ISO)" (solid, pour order 6): 56.5,49.5 51.25,49.5 51.25,54 56.5,54
"0V (ISO)" on Int1 (GND) (split plane): 83.448,84.1 83.457,83.864 83.485,83.63 83.531,83.399 83.595,83.172 83.676,82.951 83.775,82.737 83.89,82.531 84.021,82.335 84.167,82.15 84.327,81.977 88.448,77.856 88.448,35.402 30.51,35.402 30.51,90.248 83.448,90.248
no net on Int1 (GND) (split plane): 141.99,90.248 141.99,20 141.991,19.982 141.982,19.706 141.953,19.414 141.906,19.124 141.839,18.837 141.753,18.556 141.65,18.281 141.529,18.013 141.39,17.754 141.235,17.504 141.064,17.266 140.877,17.038 140.676,16.824 140.462,16.623 140.234,16.436 139.996,16.265 139.746,16.11 139.487,15.971 139.219,15.85 138.944,15.747 138.663,15.661 138.376,15.594 138.086,15.547 137.794,15.518 137.518,15.509 137.5,15.51 89.452,15.51 89.452,26.1 89.452,26.156 93.573,30.277 93.65,30.36 93.733,30.45 93.879,30.635 94.01,30.831 94.125,31.037 94.224,31.251 94.305,31.472 94.369,31.699 94.415,31.93 94.443,32.164 94.452,32.4 94.452,79.1 94.443,79.336 94.415,79.57 94.369,79.801 94.305,80.028 94.224,80.249 94.125,80.463 94.01,80.669 93.879,80.865 93.733,81.05 93.573,81.223 89.452,85.344 89.452,90.248
GLV- on Int1 (GND) (split plane): 137.794,136.982 138.086,136.953 138.376,136.906 138.663,136.839 138.944,136.753 139.219,136.65 139.487,136.529 139.746,136.39 139.996,136.235 140.234,136.064 140.462,135.877 140.676,135.676 140.877,135.462 141.064,135.234 141.235,134.996 141.39,134.746 141.529,134.487 141.65,134.219 141.753,133.944 141.839,133.663 141.906,133.376 141.953,133.086 141.982,132.794 141.991,132.518 141.99,132.5 141.99,96.252 86.45,96.252 30.51,96.252 30.51,132.5 30.509,132.518 30.518,132.794 30.547,133.086 30.594,133.376 30.661,133.663 30.747,133.944 30.85,134.219 30.971,134.487 31.11,134.746 31.265,134.996 31.436,135.234 31.623,135.462 31.824,135.676 32.038,135.877 32.266,136.064 32.504,136.235 32.754,136.39 33.013,136.529 33.281,136.65 33.556,136.753 33.837,136.839 34.124,136.906 34.414,136.953 34.706,136.982 34.982,136.991 35,136.99 137.5,136.99 137.518,136.991
GNDISO on Int1 (GND) (split plane): 83.448,26.1 83.448,15.51 35,15.51 34.982,15.509 34.706,15.518 34.414,15.547 34.124,15.594 33.837,15.661 33.556,15.747 33.281,15.85 33.013,15.971 32.754,16.11 32.504,16.265 32.266,16.436 32.038,16.623 31.824,16.824 31.623,17.038 31.436,17.266 31.265,17.504 31.11,17.754 30.971,18.013 30.85,18.281 30.747,18.556 30.661,18.837 30.594,19.124 30.547,19.414 30.518,19.706 30.509,19.982 30.51,20 30.51,29.398 83.448,29.398
"3.3V (ISO)" on Int2 (PWR) (split plane): 76.471,70.946 76.471,46.054 72.146,41.729 48.154,41.729 40.529,49.354 40.529,68.346 44.254,72.071 75.346,72.071
"5V (ISO)" on Int2 (PWR) (split plane): 83.448,84.1 83.457,83.864 83.485,83.63 83.531,83.399 83.595,83.172 83.676,82.951 83.775,82.737 83.89,82.531 84.021,82.335 84.167,82.15 84.327,81.977 88.448,77.856 88.448,35.402 30.51,35.402 30.51,90.248 83.448,90.248
GLV+ on Int2 (PWR) (split plane): 137.794,136.982 138.086,136.953 138.376,136.906 138.663,136.839 138.944,136.753 139.219,136.65 139.487,136.529 139.746,136.39 139.996,136.235 140.234,136.064 140.462,135.877 140.676,135.676 140.877,135.462 141.064,135.234 141.235,134.996 141.39,134.746 141.529,134.487 141.65,134.219 141.753,133.944 141.839,133.663 141.906,133.376 141.953,133.086 141.982,132.794 141.991,132.518 141.99,132.5 141.99,96.252 86.45,96.252 30.51,96.252 30.51,132.5 30.509,132.518 30.518,132.794 30.547,133.086 30.594,133.376 30.661,133.663 30.747,133.944 30.85,134.219 30.971,134.487 31.11,134.746 31.265,134.996 31.436,135.234 31.623,135.462 31.824,135.676 32.038,135.877 32.266,136.064 32.504,136.235 32.754,136.39 33.013,136.529 33.281,136.65 33.556,136.753 33.837,136.839 34.124,136.906 34.414,136.953 34.706,136.982 34.982,136.991 35,136.99 137.5,136.99 137.518,136.991
VDDISO on Int2 (PWR) (split plane): 83.448,26.1 83.448,15.51 35,15.51 34.982,15.509 34.706,15.518 34.414,15.547 34.124,15.594 33.837,15.661 33.556,15.747 33.281,15.85 33.013,15.971 32.754,16.11 32.504,16.265 32.266,16.436 32.038,16.623 31.824,16.824 31.623,17.038 31.436,17.266 31.265,17.504 31.11,17.754 30.971,18.013 30.85,18.281 30.747,18.556 30.661,18.837 30.594,19.124 30.547,19.414 30.518,19.706 30.509,19.982 30.51,20 30.51,29.398 83.448,29.398

## Keep-outs
Keep-Out Layer:
  the board outline again, w0.254

## Other copper
Int1 (GND) (plane layer: these items are gaps in the copper):
  lines w6: 30,32.4 91.45,32.4 ; 30.05,93.25 86.45,93.25 ; 86.45,15 86.45,26.1 86.45,31.8 ; 86.45,27.4 91.45,32.4 ; 142.45,93.25 86.45,93.25 ; 86.45,93.25 86.45,84.1 91.45,79.1 91.45,32.4
Int2 (PWR) (plane layer: these items are gaps in the copper):
  region: 87,92.5 87.1,92.4 142.3,92.4 142.3,17.9 140.7,16.3 140.7,16.2 139.5,15 87.4,15 87.1,15.3 87.1,27.8 91.9,32.6 91,33.5 91,79.5 86.2,84.3
  lines w0.254: 40.4,49.3 40.4,68.4 44.2,72.2 75.4,72.2 76.6,71 76.6,46 72.2,41.6 48.1,41.6 40.4,49.3
  lines w6: 30,32.4 91.45,32.4 ; 30.05,93.25 86.45,93.25 ; 86.45,15 86.45,26.1 86.45,31.8 ; 86.45,27.4 91.45,32.4 ; 142.45,93.25 86.45,93.25 ; 86.45,93.25 86.45,84.1 91.45,79.1 91.45,32.4

## Silkscreen, mask and mechanical layers (free items; w line width, h text height)
Top Overlay:
  lines w0.254: 78,101 78,123 ; 102,100 102,123
  lines w6: 30,32.4 91.45,32.4 ; 30.05,93.25 86.45,93.25 ; 86.45,15 86.45,26.1 86.45,31.8 ; 86.45,27.4 91.45,32.4 ; 142.45,93.25 86.45,93.25 ; 86.45,93.25 86.45,84.1 91.45,79.1 91.45,32.4
  text "5kW" at 96,98 h2.5
  text "TSAL FLASHER" at 121,96 h2.5